# Altium PCB Template_F411.PcbDoc
Units mil, origin at the board's own origin, x right, y up, seen from the top; angles counter-clockwise.
Board outline 6000 x 4000 mil, 2 copper layers (Top Layer, Bottom Layer), stack 61.2 mil thick; 35 components, 51 nets, 215 pads, 47 vias.
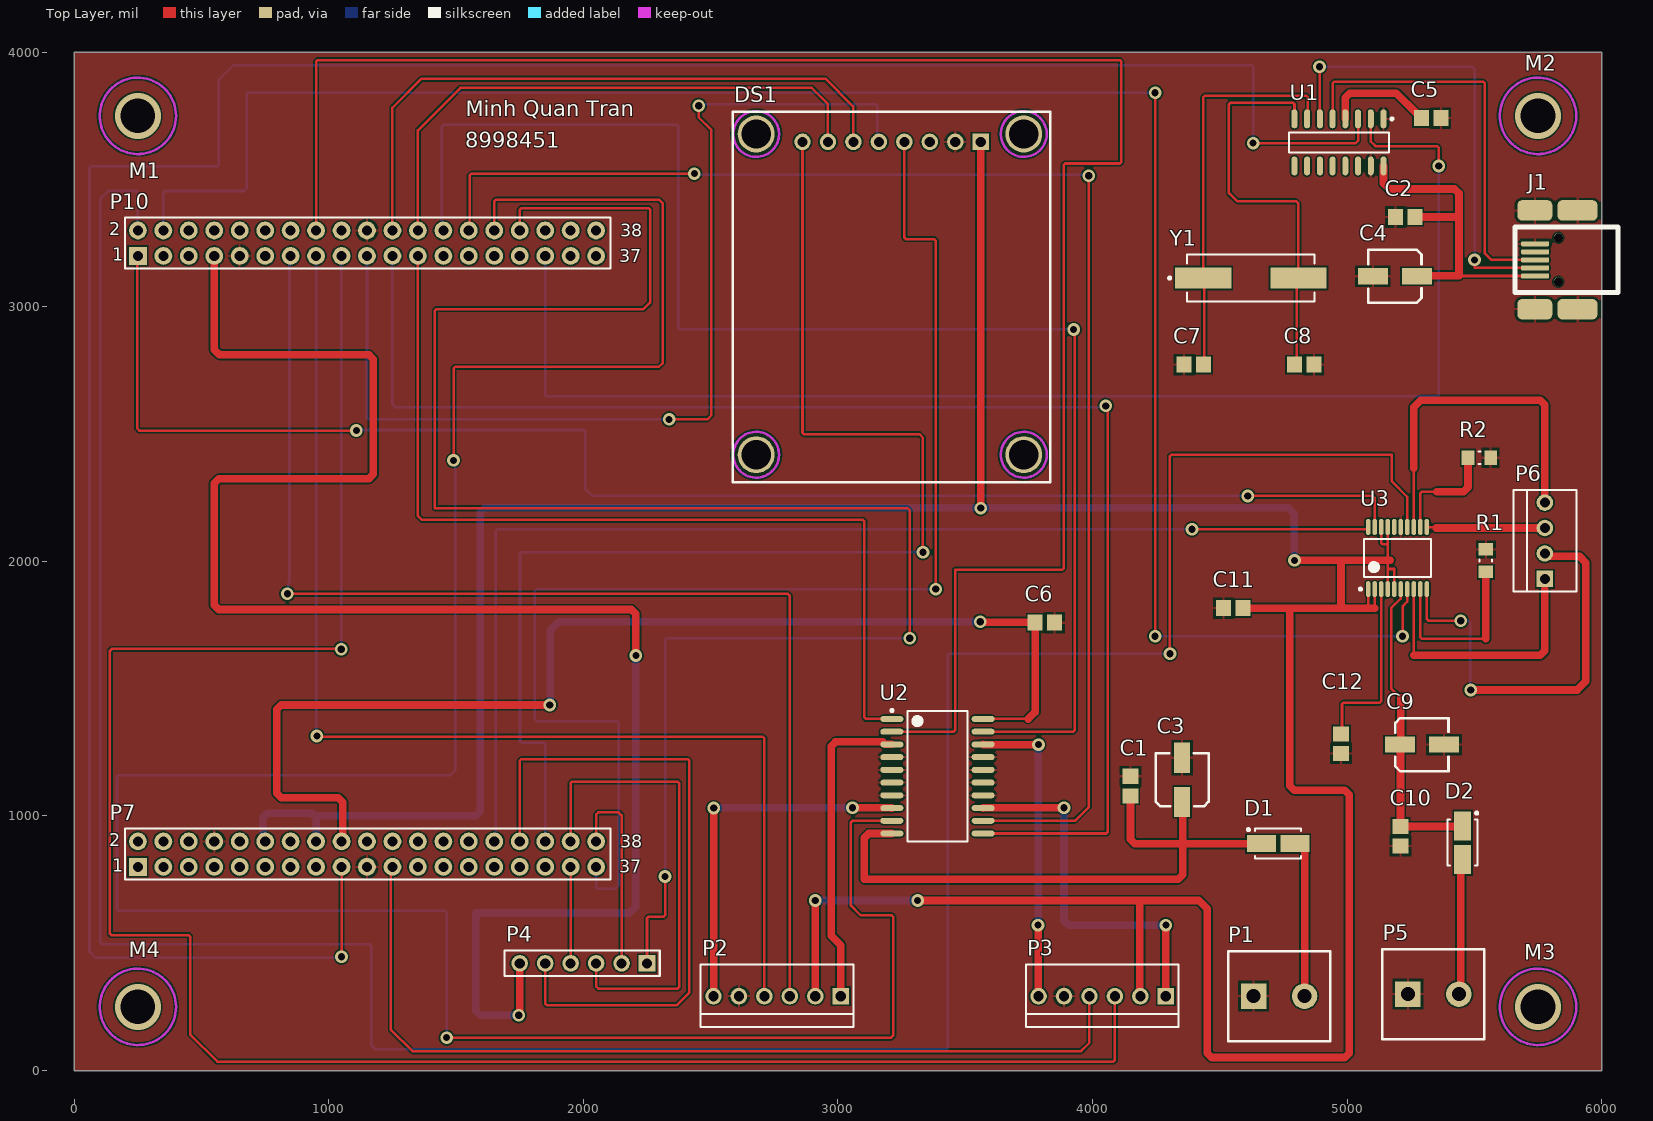
[diagram p0: Top Layer view]
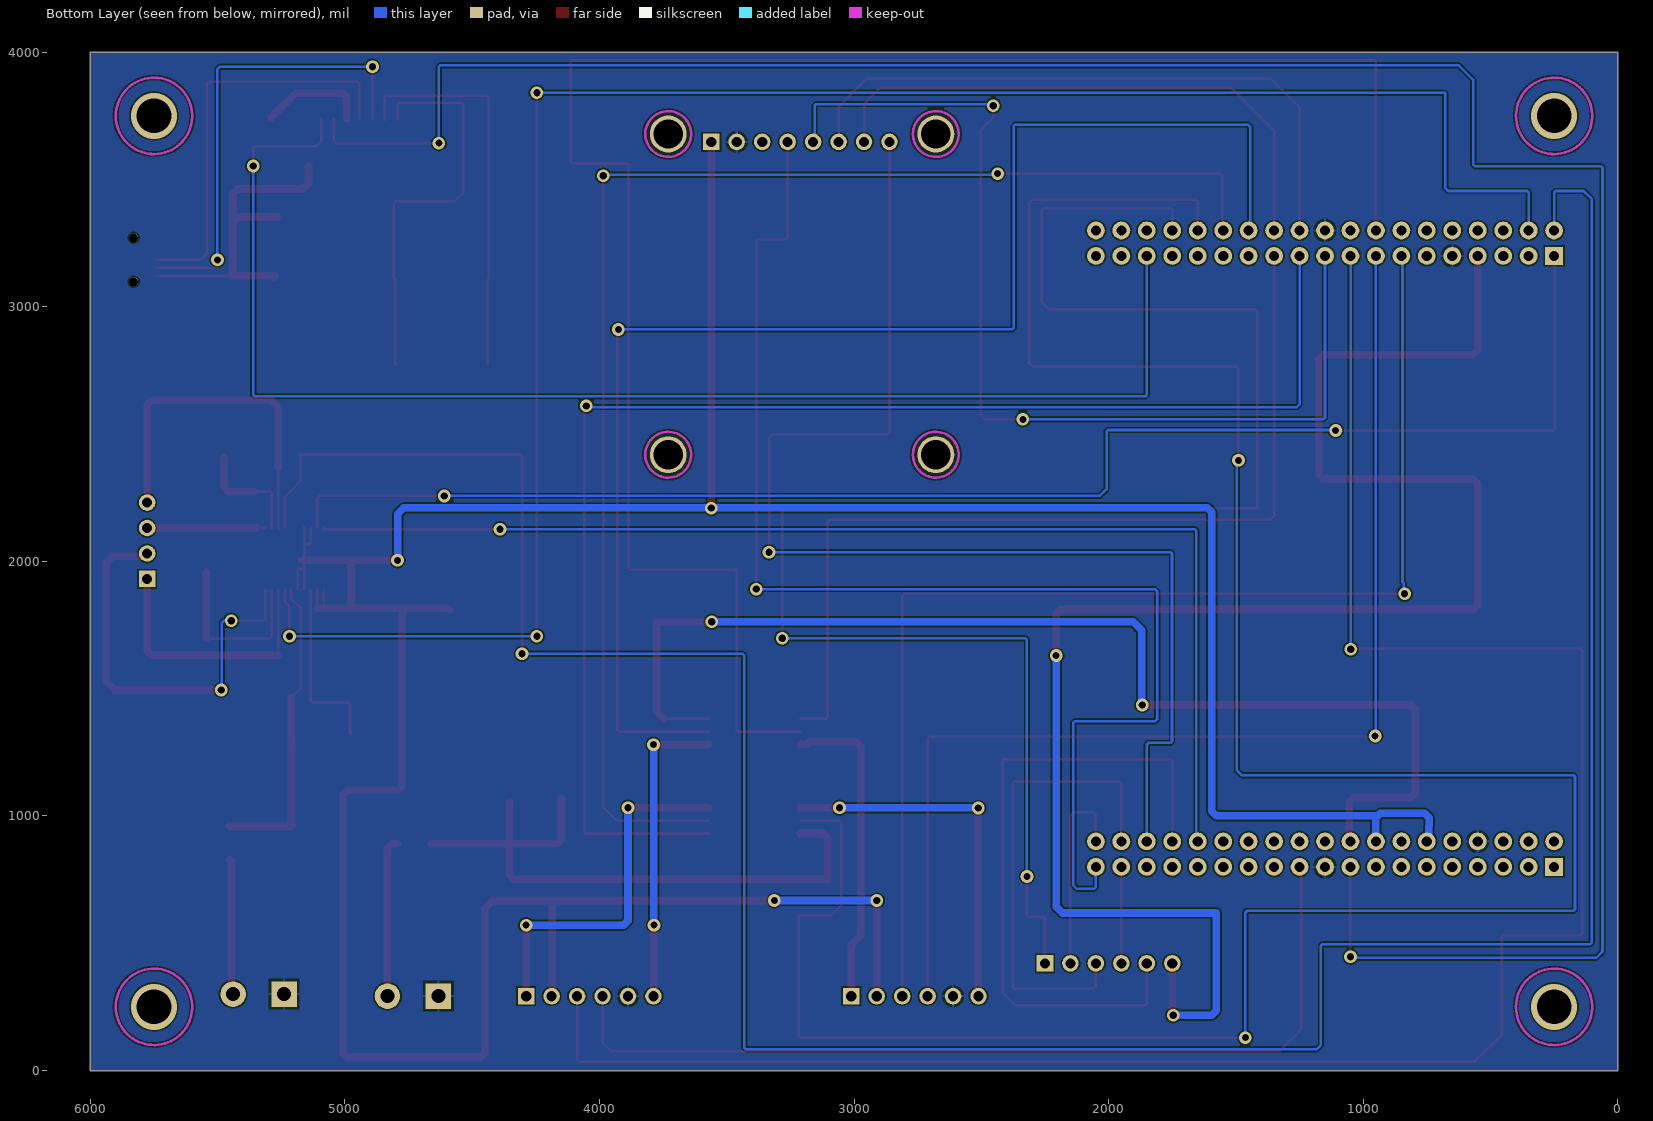
[diagram p1: Bottom Layer view, seen from below]
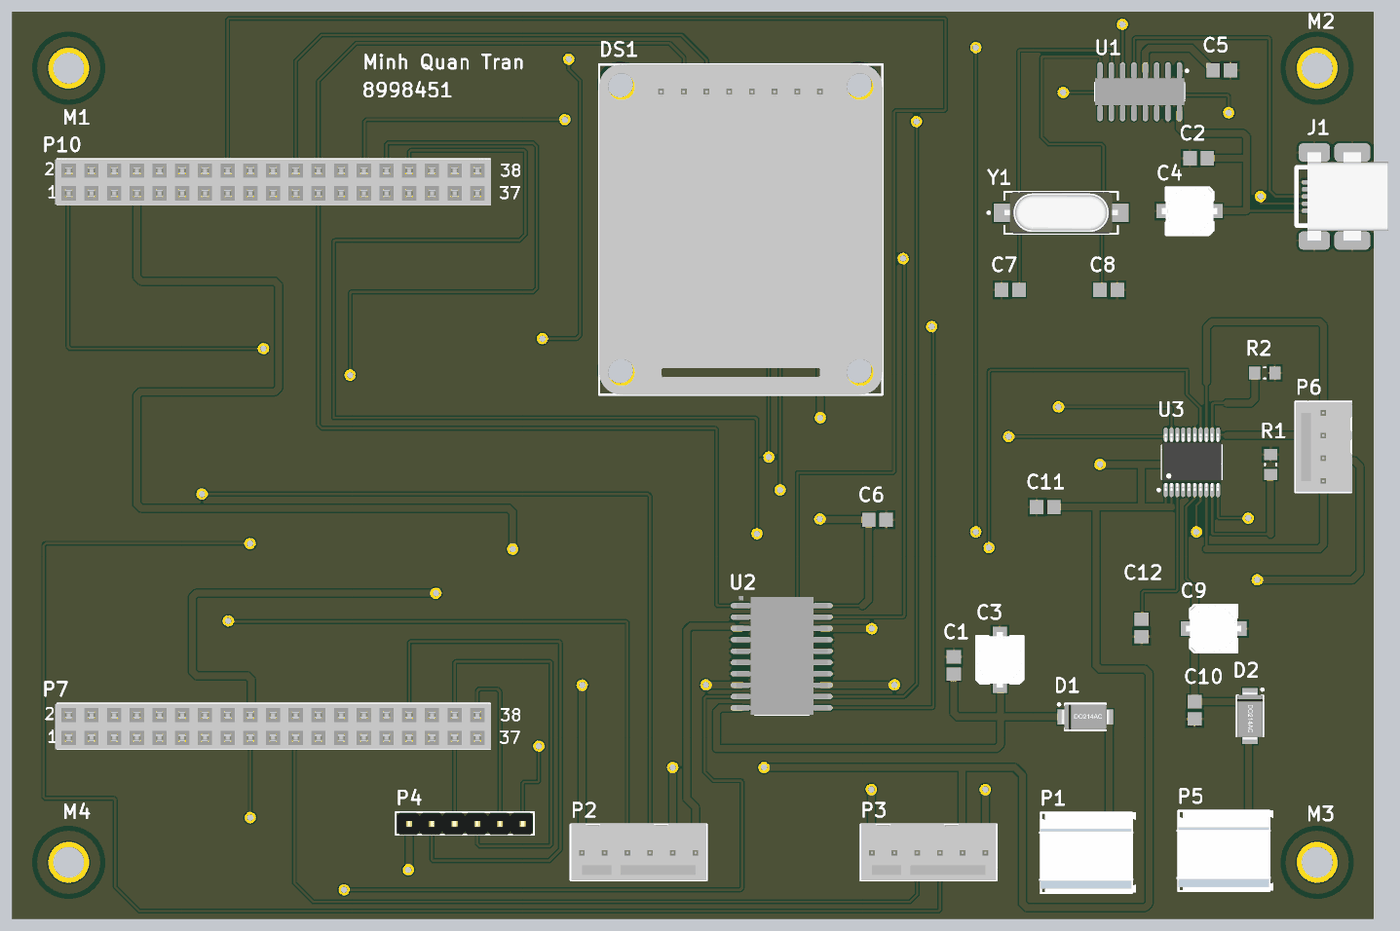
[diagram p2: 3D render of the assembled board from above, using the file's embedded part models]

## Layer stack, top to bottom
Top Solder: solder mask 0.4, Solder Resist, Dk 3.5
Top Layer: signal copper 1.4
Dielectric 1: dielectric 58.4, FR-4, Dk 4.8
Bottom Layer: signal copper 1.4
Bottom Solder: solder mask 0.4, Solder Resist, Dk 3.5

## Board outline
0,0 6000,0 6000,4000 0,4000

## Design rules (kind name [scope] priority, off if disabled: settings)
Clearance [All] p1: gap=6 ignorepadtopadclearanceinfootprint=TRUE
HoleSize [All] p1: absolutevalues=TRUE maxlimit=150 minlimit=20 maxpercent=80.000 minpercent=20.000
MinimumAnnularRing [All] p1: minimumring=10
MinimumSolderMaskSliver [All] p1: minsoldermaskwidth=3
PolygonConnect [All] p1: connectstyle=Relief reliefconductorwidth=10 reliefentries=4 polygonreliefangle="90 Angle" airgapwidth=10
RoutingVias [All] p1: holewidth=20 width=30 viastyle="Through Hole" minholewidth=20 minwidth=30 maxholewidth=40 maxwidth=50
SolderMaskExpansion [All] p1: expansion=1 istentingtop=FALSE
SupplyNets "Schematic Supply Nets_3" [InNet('3.3V')] p1: voltage=0.000
SupplyNets "Schematic Supply Nets_2" [InNet('5V')] p2: voltage=0.000
SupplyNets "Schematic Supply Nets_1" [InNet('GND')] p3: voltage=0.000
SupplyNets "Schematic Supply Nets" [InNet('VBUS')] p4: voltage=0.000
Width "Schematic Width Constraint_18" [InNet('5V')] p1: maxlimit=30 minlimit=10 preferedwidth=30 minimp=50.000000 maximp=50.000000 favimp=50.000000
Width "Schematic Width Constraint_17" [InNet('NetP2_1')] p2: maxlimit=30 minlimit=10 preferedwidth=30 minimp=50.000000 maximp=50.000000 favimp=50.000000
Width "Schematic Width Constraint_16" [InNet('NetP3_6')] p3: maxlimit=30 minlimit=10 preferedwidth=30 minimp=50.000000 maximp=50.000000 favimp=50.000000
Width "Schematic Width Constraint_15" [InNet('NetC9_1')] p4: maxlimit=30 minlimit=10 preferedwidth=30 minimp=50.000000 maximp=50.000000 favimp=50.000000
Width "Schematic Width Constraint_14" [InNet('NetD1_2')] p5: maxlimit=30 minlimit=10 preferedwidth=30 minimp=50.000000 maximp=50.000000 favimp=50.000000
Width "Schematic Width Constraint_13" [InNet('AVDD')] p6: maxlimit=30 minlimit=10 preferedwidth=30 minimp=50.000000 maximp=50.000000 favimp=50.000000
Width "Schematic Width Constraint_12" [InNet('NetP3_1')] p7: maxlimit=30 minlimit=10 preferedwidth=30 minimp=50.000000 maximp=50.000000 favimp=50.000000
Width "Schematic Width Constraint_11" [InNet('NetR2_1')] p8: maxlimit=30 minlimit=10 preferedwidth=30 minimp=50.000000 maximp=50.000000 favimp=50.000000
Width "Schematic Width Constraint_10" [InNet('3.3V')] p9: maxlimit=30 minlimit=10 preferedwidth=30 minimp=50.000000 maximp=50.000000 favimp=50.000000
Width "Schematic Width Constraint_9" [InNet('NetP6_3')] p10: maxlimit=30 minlimit=10 preferedwidth=30 minimp=50.000000 maximp=50.000000 favimp=50.000000
Width "Schematic Width Constraint_8" [InNet('NetP2_6')] p11: maxlimit=30 minlimit=10 preferedwidth=30 minimp=50.000000 maximp=50.000000 favimp=50.000000
Width "Schematic Width Constraint_7" [InNet('NetP6_2')] p12: maxlimit=30 minlimit=10 preferedwidth=30 minimp=50.000000 maximp=50.000000 favimp=50.000000
Width "Schematic Width Constraint_6" [InNet('NetC5_1')] p13: maxlimit=30 minlimit=10 preferedwidth=30 minimp=50.000000 maximp=50.000000 favimp=50.000000
Width "Schematic Width Constraint_5" [InNet('NetP6_1')] p14: maxlimit=30 minlimit=10 preferedwidth=30 minimp=50.000000 maximp=50.000000 favimp=50.000000
Width "Schematic Width Constraint_4" [InNet('NetD2_2')] p15: maxlimit=30 minlimit=10 preferedwidth=30 minimp=50.000000 maximp=50.000000 favimp=50.000000
Width "Schematic Width Constraint_3" [InNet('VBUS')] p16: maxlimit=30 minlimit=10 preferedwidth=30 minimp=50.000000 maximp=50.000000 favimp=50.000000
Width "Schematic Width Constraint_2" [InNet('NetP6_4')] p17: maxlimit=30 minlimit=10 preferedwidth=30 minimp=50.000000 maximp=50.000000 favimp=50.000000
Width "Schematic Width Constraint_1" [InNet('NetR1_1')] p18: maxlimit=30 minlimit=10 preferedwidth=30 minimp=50.000000 maximp=50.000000 favimp=50.000000
Width "Schematic Width Constraint" [InNet('VMOTOR')] p19: maxlimit=30 minlimit=10 preferedwidth=30 minimp=50.000000 maximp=50.000000 favimp=50.000000
Width Power [InNetClass('POWER')] p20: maxlimit=100 minlimit=20 preferedwidth=30
Width [All] p21: maxlimit=10 minlimit=10 preferedwidth=10
28 further rules are at their usual default settings.

## Classes and differential pairs
component class Sheet3: C9 C10 C11 C12 D2 P5 P6 R1 R2 U3
component class Sheet2: C1 C2 C3 C4 C5 C6 C7 C8 D1 DS1 J1 P1 P2 P3 P4 U1 U2 Y1
component class Sheet1: P7 P10
component class Mechanical: M1 M2 M3 M4 M5

## Components (designator, comment, footprint, x,y, rotation, side; value= is the part's Value field where it differs from the comment)
C1 "Cap" CAPC2012X09M 4149,1117.61 r270 top value=.1uF
C2 "Cap" CAPC2012X09M 5228,3353 r180 top value=.1uF
C3 "Cap Pol" CAPACITOR_5MM 4352,1142 r90 top value=10uF
C4 "Cap Pol" CAPACITOR_5MM 5188,3120 r180 top value=10uF
C5 "Cap" CAPC2012X09M 5330,3741 r0 top value=.1uF
C6 "Cap" CAPC2012X09M 3813,1759 r180 top value=.1uF
C7 "Cap" CAPC2012X09M 4398,2773 r180 top value=33pF
C8 "Cap" CAPC2012X09M 4831.39,2773 r0 top value=33pF
C9 "Cap Pol" CAPACITOR_5MM 5294,1280 r0 top value=10uF
C10 "Cap" CAPC2012X09M 5210,920 r90 top value=.1uF
C11 "Cap" CAPC2012X09M 4552.23,1816 r180 top value=.1uF
C12 "Cap" CAPC2012X09M 4976.31,1283.41 r270 top value=220pF
D1 "DIODE SCHOTTKY 40V 2A SMA" DIOM4326X23M 4728.94,891 r0 top
D2 "DIODE SCHOTTKY 40V 2A SMA" DIOM4326X23M 5454,895.06 r270 top
DS1 "OLED" OLED_RGB_0.95_96x64_Waveshare 3560.82,3647.84 r0 top
J1 "67503-1020" MOLX-67503-1020_V 5738.47,3121.62 r180 top
M1 "MOUNTING_HOLE" MOUNTING_HOLE 250,3750 r0 top locked
M2 "MOUNTING_HOLE" MOUNTING_HOLE 5750,3750 r0 top locked
M3 "MOUNTING_HOLE" MOUNTING_HOLE 5750,250 r0 top locked
M4 "MOUNTING_HOLE" MOUNTING_HOLE 250,250 r0 top locked
M5 "Nucleo-64" NUCLEO_64 7017,1566 r0 top
P1 "Terminal 2" TYCO_282841_2 4733,292 r0 top
P2 "Molex_22-11-2062" MOLEX_22-11-2062 3011,292 r180 top
P3 "Molex_22-11-2062" MOLEX_22-11-2062 4288,292 r180 top
P4 "Header 6" HDR1X6 2250,421 r180 top
P5 "Terminal 2" TYCO_282841_2 5339,300 r0 top
P6 "Molex_22-11-2042" MOLEX-22-11-2042 5777,1931.05 r90 top
P7 "Header 19X2H" PPPC192LFBN-RC 250,800 r0 top
P10 "Header 19X2H" PPPC192LFBN-RC 250,3200 r0 top
R1 "Res3" RESC2112X05M 5545,2003 r90 top value=4.99R
R2 "Res3" RESC2112X05M 5519.29,2407 r0 top value=4.99R
U1 "CH340G" NSO16_L 4968,3646 r270 top
U2 "L293DD" SO20_N 3391,1156 r0 top
U3 "TB6608FNG,C8,EL" TSOP65P640X160-20M 5198,2013.05 r90 top
Y1 "AS-12.000-18-SMD-TR" HCS-49/U 4621.99,3113 r0 top

## Footprints (in the part's own frame and the unit in brackets; to place one, negate y for a bottom-side part, rotate by r counter-clockwise, add the part's x,y. Pads: shape width x height; smd on the part's side, far side on the other; paste and mask are expansions set on the pad)
CAPACITOR_5MM [mm]
  rect 3x1.6 smd: 1(-2.2,0) 2(2.2,0)
  silkscreen extent -2.65,-2.65 2.65,2.65, body extent -3.1,-2.65 3.1,2.65, height 6.15
CAPC2012X09M [mm] "Chip Capacitor, 2-Leads, Body 2.00x1.25mm, IPC Low Density"
  rect 1.5x1.6 smd: 1(-0.975,0) 2(0.975,0)
  body extent -1.1,-0.72 1.1,0.72, height 0.88
DIOM4326X23M [mm] "Molded Diode, 2-Leads, Body 4.30x2.60mm, IPC Low Density"
  rect 2.9x1.7 smd: 1(-1.675,0) 2(1.675,0)
  silkscreen extent -3.07,-1.5 2.3,1.52, body extent -2.74,-1.4 2.74,1.4, height 2.36
HCS-49/U [mm] "SMD, 2-Leads, Body 11.4x4.7mm"
  rect 5.6x2.1 smd: 1(-4.75,0) 2(4.75,0)
  silkscreen extent -8.22,-2.35 6.35,2.35, body extent -6.35,-2.35 6.35,2.35, height 4.16
HDR1X6 [mil] "Connector; Header; 6 Position"
  rect 65x65 hole 40: 1(0,0)
  round 65 hole 40: 2(100,0) 3(200,0) 4(300,0) 5(400,0) 6(500,0)
  silkscreen extent -50,-50 559,50, body extent -46,-48 554,50, height 370
MOLEX-22-11-2042 [mil] "CONN HEADER 4POS .100 VERT GOLD"
  rect 65x65 hole 40: 1(0,0)
  round 65 hole 40: 2(100,0) 3(200,0) 4(300,0)
  silkscreen extent -50,-124 350,123, body extent -47,-128 347,122, height 422
MOLEX_22-11-2062 [mil] "CONN HEADER 6POS .100 VERT GOLD"
  rect 65x65 hole 40: 1(0,0)
  round 65 hole 40: 2(100,0) 3(200,0) 4(300,0) 5(400,0) 6(500,0)
  silkscreen extent -50,-125 550,122, body extent -47,-128 547,122, height 422
MOLX-67503-1020_V [mm] "Mini USB Connector, SMT, Righer Angle"
  rrect50% 2.8x0.5 smd: 1(0,0) 2(0,-0.8) 3(0,-1.6) 4(0,-2.4) 5(0,-3.2)
  rrect50% 3.5x2.05 smd: 6(0.025,3.325) 8(0.025,-6.525)
  rrect50% 4x2.05 smd: 7(-4.225,3.325) 9(-4.225,-6.525)
  round 0.9 hole 0.9 unplated: X(-2.325,-3.8) Y(-2.325,0.6)
  silkscreen extent -8.25,-4.85 2,1.65, body extent -8.22,-6.56 0.78,3.34, height 3.95
MOUNTING_HOLE [mil]
  Keep-Out Layer circle w10: c0,0 r150
NSO16_L [mm] "SOIC, 16-Leads, Body 9.9x3.9mm, Pitch 1.27mm, IPC High Density"
  oval 1.9x0.6 smd: 1(-2.35,4.445) 2(-2.35,3.175) 3(-2.35,1.905) 4(-2.35,0.635) 5(-2.35,-0.635) 6(-2.35,-1.905) 7(-2.35,-3.175) 8(-2.35,-4.445) 9(2.35,-4.445) 10(2.35,-3.175) 11(2.35,-1.905) 12(2.35,-0.635) 13(2.35,0.635) 14(2.35,1.905) 15(2.35,3.175) 16(2.35,4.445)
  silkscreen extent -2.47,-5 1,5.42, body extent -3.1,-5 3.1,5, height 1.75
NUCLEO_64 [mil] "Nucleo 64 Placeholder"
  body extent -128,-1998 2628,1269, height 394
OLED_RGB_0.95_96x64_Waveshare [mil]
  rect 65x65 hole 40: 1(0,0)
  round 65 hole 40: 2(-100,0) 3(-200,0) 4(-300,0) 5(-400,0) 6(-500,0) 7(-600,0) 8(-700,0)
  round 145 hole 115: NC(-882,-1228.84) NC(-882,31) NC(169.18,-1228.84) NC(169.18,31)
  Keep-Out Layer circle w10: c-882,31 r90
  Keep-Out Layer circle w10: c169.18,31 r90
  Keep-Out Layer circle w10: c169.18,-1228.84 r90
  Keep-Out Layer circle w10: c-882,-1228.84 r90
  silkscreen extent -974,-1337 274,119, body extent -974,-1337 274,119, height 422
PPPC192LFBN-RC [mil] "38 Position Header Connector 0.100in (2.54mm) Through Hole Gold"
  rect 70x70 hole 40: 1(0,0)
  round 70 hole 40: 2(0,100) 3(100,0) 4(100,100) 5(200,0) 6(200,100) 7(300,0) 8(300,100) 9(400,0) 10(400,100) 11(500,0) 12(500,100) 13(600,0) 14(600,100) 15(700,0) 16(700,100) 17(800,0) 18(800,100) 19(900,0) 20(900,100) 21(1000,0) 22(1000,100) 23(1100,0) 24(1100,100) 25(1200,0) 26(1200,100) 27(1300,0) 28(1300,100) 29(1400,0) 30(1400,100) 31(1500,0) 32(1500,100) 33(1600,0) 34(1600,100) 35(1700,0) 36(1700,100) 37(1800,0) 38(1800,100)
  silkscreen extent -50,-50 1856,150, body extent -60,-51 1860,149, height 335
RESC2112X05M [mm] "Chip Resistor, 2-Leads, Body 2.05x1.25mm, IPC Low Density"
  rect 1.25x1.45 smd: 1(-1.125,0) 2(1.125,0)
  silkscreen extent -0.1,-0.63 0.1,0.63, body extent -1.1,-0.7 1.1,0.7, height 0.5
SO20_N [mm] "SOIC, 20-Leads, Body 12.8x7.5mm, Pitch 1.27mm, IPC Medium Density"
  oval 2.3x0.6 smd: 1(-4.55,5.715) 2(-4.55,4.445) 3(-4.55,3.175) 4(-4.55,1.905) 5(-4.55,0.635) 6(-4.55,-0.635) 7(-4.55,-1.905) 8(-4.55,-3.175) 9(-4.55,-4.445) 10(-4.55,-5.715) 11(4.55,-5.715) 12(4.55,-4.445) 13(4.55,-3.175) 14(4.55,-1.905) 15(4.55,-0.635) 16(4.55,0.635) 17(4.55,1.905) 18(4.55,3.175) 19(4.55,4.445) 20(4.55,5.715)
  silkscreen extent -4.67,-6.5 3,6.69, body extent -5.04,-6.52 5.15,6.82, height 2.67
TSOP65P640X160-20M [mm] "TSOP, 20-Leads, Body 6.85x4.40mm, Pitch 0.65mm, IPC Low Density"
  oval 1.6x0.45 smd: 1(-3.1,2.925) 2(-3.1,2.275) 3(-3.1,1.625) 4(-3.1,0.975) 5(-3.1,0.325) 6(-3.1,-0.325) 7(-3.1,-0.975) 8(-3.1,-1.625) 9(-3.1,-2.275) 10(-3.1,-2.925) 11(3.1,-2.925) 12(3.1,-2.275) 13(3.1,-1.625) 14(3.1,-0.975) 15(3.1,-0.325) 16(3.1,0.325) 17(3.1,0.975) 18(3.1,1.625) 19(3.1,2.275) 20(3.1,2.925)
  silkscreen extent -3.22,-3.35 1.9,3.82, body extent -3.2,-3.35 3.2,3.35, height 1.6
TYCO_282841_2 [mil]
  rect 100x100 hole 55: 1(-100,0)
  round 100 hole 55: 2(100,0)
  silkscreen extent -200,-177 200,177, body extent -209,-174 219,180, height 600

## Part data
C1 C2 C5 C6 C10 C11: library part CAP-X7R-.1uF-50V-±5%, "CAP CER .1uF 50v X7R 0805", MPN=C0805C104J5RACTU, Tolerance=±5%, Name=CAP-X7R-.1uF-50V-±5%, PN=399-1171-1-ND, Type=X7R, URL=http://www.digikey.ca/product-detail/en/C0805C104J5RACTU/399-1171-1-ND, WV=50
C3 C4 C9: library part "Cap Polar-10uF-35V", "CAP 85C 10uF ±20% 35V WX Series Aluminum Electrolytic", Leakage Current=3.5, MPN=UWX1V100MCL1GB, Rated Ripple Current=29, Voltage=35V, Diameter=5, Name="Cap Polar-10uF-35V", PN=493-2117-1-ND, Tan Theta=0.12, URL=http://www.digikey.ca/product-detail/en/UWX1V100MCL1GB/493-2117-1-ND
C7 C8: library part CAP-COG-33pF-50V-±5%, "CAP CER 33pF 50v COG 0805", MPN=C0805C330J5GACTU, Tolerance=±5%, Name=CAP-COG-33pF-50V-±5%, PN=399-1115-1-ND, URL=http://www.digikey.ca/product-detail/en/C0805C330J5GACTU/399-1115-1-ND, WV=50
  C8: Type=COG
C12: library part CAP-X7R-220pF-50V-±10%, "CAP CER 220pF 50v X7R 0805", MPN=C0805C221K5RACTU, Tolerance=±10%, Name=CAP-X7R-220pF-50V-±10%, PN=399-1138-1-ND, Type=X7R, URL=http://www.digikey.ca/product-detail/en/C0805C221K5RACTU/399-1138-1-ND, WV=50
D1 D2: "Schottky Rectifier", MPN=B240A-13-F, PN=B240A-FDICT-ND, URL=http://www.digikey.ca/product-detail/en/B240A-13-F/B240A-FDICT-ND
DS1: library part OLED_RGB_0.95_96x64_Waveshare, "Waveshare 0.95 inch OLED Module", MPN=PPPC081LFBN-RC, PN=S7041-ND, URL=https://www.digikey.ca/en/products/detail/sullins-connector-solutions/PPPC081LFBN-RC/810180
J1: library part MOLX-67503-1020, "USB, MINI, SMD, RA KME04-USBMU03A01", Manufacturer=Molex, ComponentLink1Description="Manufacturer URL", ComponentLink1URL=http://www.molex.com/, ComponentLink2Description=Datasheet, ComponentLink2URL=http://www.molex.com/pdm_docs/sd/675031020_sd.pdf, DatasheetVersion="Rev F, 06/2009", Mounting Technology="Surface Mount", PackageDescription="Mini USB Connector, SMT, Righer Angle", PackageReference=67503-1020, PartNumber=67503-1020, Terminal Pitch="0.8 mm"
M1 M2 M3 M4: "Mounting Hole"
M5: "Nucleo-64 Board Model"
P1 P5: "Terminal, 2-Pin", MPN=282841-2, LatestRevisionDate=17-Jul-2002, LatestRevisionNote="Re-released for DXP Platform.", PN=A98342-ND, Publisher="Altium Limited", URL=http://www.digikey.ca/product-detail/en/282841-2/A98342-ND/1136740
P2 P3: "CONN HEADER 6POS .100 VERT GOLD", MPN=0022112062, PN=WM2704-ND, URL=http://www.digikey.ca/product-detail/en/0022112062/WM2704-ND
P4: "Header, 6-Pin Male", MPN=PEC06SFAN, PN=S1212E-06-ND, URL=http://www.digikey.ca/product-detail/en/PEC06SFAN/S1212E-06-ND
P6: "CONN HEADER 4POS .100 VERT GOLD", MPN=0022112042, PN=WM2702-ND, URL=http://www.digikey.ca/product-detail/en/0022112042/WM2702-ND
P7 P10: "38 Position Header Connector 0.100in (2.54mm) Through Hole Gold", MPN=PPPC192LFBN-RC, PN=S7122-ND, URL=https://www.digikey.ca/product-detail/en/sullins-connector-solutions/PPPC192LFBN-RC/S7122-ND
R1 R2: library part Resistor_4.99R, "RES SMD 4.99R OHM 1% 1/8W 0805", MPN=CRCW08054R99FKEA, Name=Resistor_4.99R, PN=541-4.99CCCT-ND, URL=http://www.digikey.ca/product-detail/en/CRCW08054R99FKEA/541-4.99CCCT-ND
U1: "USB to serial chip", MPN=CH340G, PN=CH340G, URL=https://www.mpja.com/download/35227cpdata.pdf
U2: "IC MOTOR DRIVER PAR 20-SOIC", MPN=L293DD013TR, Code_IPC=SOIC127P1030-20, Code_JEDEC=MS-013-AC, ComponentLink1Description="Manufacturer Link", ComponentLink1URL=http://www.st.com/, ComponentLink2Description=Datasheet, ComponentLink2URL=http://www.st.com/stonline/products/literature/ds/1330/l293d.pdf, DatasheetVersion=Jun-1996, LatestRevisionDate=13-Apr-2006, LatestRevisionNote="IPC-7351 Footprint Added.", PackageDescription="20-Pin Plastic Small Outline Integrated Circuit 1.27 mm Pitch", PackageReference=SO20, PackageVersion=Jul-2001, PN=497-2937-1-ND, Published=8-Jun-2000, Publisher="Altium Limited", URL=http://www.digikey.ca/product-detail/en/L293DD013TR/497-2937-1-ND
U3: "IC MTR DRV BIPLR 2.7-5.5V 20SSOP", MPN=TB6608FNG,C8,EL, PN=TB6608FNGC8ELCT-ND, URL=https://www.digikey.ca/en/products/detail/toshiba-semiconductor-and-storage/TB6608FNG-C8-EL/1730074
Y1: "CRYSTAL 12.0000MHZ 18PF SMD", MPN=AS-12.000-18-SMD-TR, PN=2151-AS-12.000-18-SMD-TRCT-ND, URL=https://www.digikey.ca/en/products/detail/raltron-electronics/AS-12-000-18-SMD-TR/10271753

## Via types
v1: diameter 50, hole 28, Top Layer to Bottom Layer, 43 vias
v2: diameter 180, hole 136, Top Layer to Bottom Layer, 4 vias

## Nets (pads, with @x,y where several pads share a name; then routed paths per layer and width w, separated by ;. In a path a pad name is that pad's centre, name@x,y a point inside that pad or via, vN(x,y) a via of type N, cw(c..) or ccw(c..) an arc to the next point about the centre after c; other vN are vias at no path point)
3.3V: C11.1 DS1.1 P2.2 P3.2 P7.12 P7.16 U3.1 U3.2 U3.4 U3.5 U3.17 U3.18 | length 14168.2
  Top Layer w10: 5082.84,1816 U3.1 ; 5108.43,1816 U3.2 ; U3.18 5134.02,2072.43 5139.88,2066.57 5159.61,2066.57 ; U3.4 5159.61,1970 ; U3.17 5159.61,2066.57 ; U3.5 5185.2,1970 5159.61,1970 ; 5159.61,1970 5159.61,2004 5159.61,2066.57
  Top Layer w30: P2.2 v1(2911,668) ; v1(3313,668) 4185,668 ; DS1.1 3560.91,3647.75 3560.91,2209.09 v1(3561,2209) ; P3.2 4185,295 4185,668 ; C11.1@4590.61,1811 4595.61,1816 4775,1816 ; v1(4793,2004) 4976.31,2004 ; 5108.43,1816 5082.84,1816 4976.31,1816 ; 5169.48,2004 5159.61,2004 4976.31,2004 ; 4185,668 4418,668 4451,635 4451,68.57 4468.57,51 4991.43,51 5009,68.57 5009,1083.43 4991.43,1101 4792.57,1101 4775,1118.57 4775,1816 ; 4775,1816 4976.31,1816 ; 4976.31,1816 4976.31,2004
  Bottom Layer w30: P7.12 742.35,907.65 742.35,960.08 740,962.43 740,992.43 757.57,1010 932.43,1010 941.96,1000.46 ; P7.16 950,992.43 941.96,1000.46 ; v1(2911,668) v1(3313,668) ; v1(4793,2004) 4793,2186.43 4768.43,2211 3563,2211 v1(3561,2209) 3559,2211 1612.61,2211 1595.04,2193.43 1595.04,1018.04 1577.47,1000.46 941.96,1000.46
5V: C6.2 P7.18 U2.20 | length 4620.7
  Top Layer w10: U2.20 3747.04,1381
  Top Layer w30: P7.18 1055,905 1055,1054.43 1037.43,1072 812.57,1072 795,1089.57 795,1418.43 812.57,1436 v1(1868,1436) ; v1(3559,1763) 3561,1761 3772.61,1761 C6.2 3774.61,1408.57 3747.04,1381
  Bottom Layer w30: v1(1868,1436) 1870,1438 1870,1729 1904,1763 v1(3559,1763)
AGND: P4.1 P10.32 | length 7268.5
  Top Layer w10: P10.32 1750,3382.14 1755.86,3388 2256.14,3388 2262,3382.14 2262,3017 2236,2991 1422.86,2991 1417,2985.14 1417,2209 3274,2209 3282,2201 v1(3282,1698) ; P4.1 2250,598.28 2255.86,604.14 2315.14,604.14 2321,610 v1(2321,762)
  Bottom Layer w10: v1(2321,762) 2321,1692.14 2326.86,1698 v1(3282,1698)
ANALOG_IN_1: P4.2 P7.38 | length 794.8
  Top Layer w10: P7.38 2050,1005.14 2058.86,1014 2138,1014 2150,1002 P4.2
ANALOG_IN_2: P4.3 P7.36 | length 1883.5
  Top Layer w10: P7.36 1950,1129.14 1955.86,1135 2370.14,1135 2376,1129.14 2376,327.86 2370.14,322 2058.86,322 2050,330.86 P4.3
ANALOG_IN_3: P4.4 P7.35 | length 379
  Top Layer w10: P4.4 P7.35
ANALOG_OUT: P4.5 P7.32 | length 2646
  Top Layer w10: P7.32 1750,1217.14 1755.86,1223 2410.14,1223 2416,1217.14 2416,306 2367,257 1855.86,257 1850,262.86 P4.5
AVDD: P4.6 P10.7 | length 6809.5
  Top Layer w30: P10.7 550,2831.57 570.57,2811 1157.6,2811 1175.17,2793.43 1175.17,2341.57 1157.6,2324 567.57,2324 550,2306.43 550,1828.57 567.57,1811 2188.43,1811 2206,1793.43 v1(2206,1630) ; v1@1742,213 v1(1746,217) 1750,221 P4.6
  Bottom Layer w30: v1(1746,217) 1595.04,217 1577.47,234.57 1577.47,619 2181.43,619 2206,643.57 v1(2206,1630)
GND: C1.1 C2.2 C3.2 C4.2 C5.2 C6.1 C7.2 C8.2 C9.2 C10.1 C11.2 C12.2 DS1.2 J1.5 J1.6 J1.7 J1.8 J1.9 P1.1 P2.5 P3.5 P5.1 P7.8 P7.19 P10.9 P10.20 R1.2 R2.2 U1.1 U1.15 U2.4 U2.5 U2.6 U2.7 U2.14 U2.15 U2.16 U2.17 U3.15
MOTOR1_DIR1: P10.16 U2.2 | length 7350.5
  Top Layer w10: P10.16 950,3963.14 955.86,3969 4107.14,3969 4113,3963.14 4113,3568.86 4107.14,3563 3892.86,3563 3887,3557.14 3887,1972.86 3881.14,1967 3460,1967 3460,1336.86 3454.14,1331 U2.2
MOTOR1_DIR2: P10.30 U2.9 | length 10393.5
  Top Layer w10: v1@1450,142 v1(1463,129) 3209,129 3217,137 3217,604.14 3211.14,610 3089,610 3051,648 3051,975 3057,981 U2.9 ; v1(1490,2397) 1490,2758.14 1495.86,2764 2296,2764 2312,2780 2312,3406 2297,3421 1655.86,3421 1650,3415.14 P10.30
  Bottom Layer w10: v1(1463,129) 1463,621.14 1457.14,627 173.86,627 168,632.86 168,1154.14 173.86,1160 1477.2,1160 1496,1178.8 1496,2391 v1(1490,2397)
MOTOR1_ENCODER_A: P2.3 P10.13 | length 4894.9
  Top Layer w10: v1(837,1873) 2802.14,1873 2811,1864.14 P2.3 ; P10.13@841,3191 P10.13
  Bottom Layer w10: v1(837,1873) 840.5,1876.5 840.5,1913 845.5,1918 845.5,3195.5 P10.13
MOTOR1_ENCODER_B: P2.4 P10.15 | length 4662.1
  Top Layer w10: v1(953,1314) 956,1311 2705.14,1311 2711,1305.14 P2.4
  Bottom Layer w10: P10.15 951.5,3198.5 951.5,1315.5 v1(953,1314)
MOTOR1_PWM: P10.23 U2.1 | length 3664.6
  Top Layer w10: P10.23 1350,2179 1366,2163 3098.14,2163 3104,2157.14 3104,1386.86 3109.86,1381 U2.1
MOTOR2_DIR1: P10.28 U2.12 | length 5572.9
  Top Layer w10: P10.28 1553,3303 1553,3515 1561,3523 v1(2436,3523) ; U2.12 3931,981 3986,1036 3986,3514 v1(3985,3515)
  Bottom Layer w10: v1(2436,3523) 2440,3519 3981,3519 v1(3985,3515)
MOTOR2_DIR2: P10.26 U2.19 | length 5632.9
  Top Layer w10: U2.19 3925.14,1331 3931,1336.86 3931,2906 v1(3926,2911)
  Bottom Layer w10: P10.26 1444,3306 1444,3707 1453,3716 2367.14,3716 2373,3710.14 2373,2916.86 2378.86,2911 v1(3926,2911)
MOTOR2_ENCODER_A: P3.3 P10.17 | length 8204.6
  Top Layer w10: v1@1050,1654 v1(1049,1655) 1048,1656 148,1656 140,1648 140,537.86 145.86,532 449.14,532 455,526.14 455,142 562,35 4082.14,35 4088,40.86 P3.3
  Bottom Layer w10: v1(1049,1655) 1049.5,1655.5 1049.5,3199.5 P10.17
MOTOR2_ENCODER_B: P3.4 P7.21 | length 3617.9
  Top Layer w10: P7.21 1244,794 1244,160 1328,76 3955,76 3988,109 P3.4
MOTOR2_PWM: P10.21 U2.11 | length 5560
  Top Layer w10: U2.11 4053.14,931 4059,936.86 4059,2604 v1(4052,2611)
  Bottom Layer w10: P10.21 1250,2617 1261,2606 4047,2606 v1(4052,2611)
NetC5_1: C5.1 U1.4 | length 430.5
  Top Layer w30: U1.4 4993,3821.43 5010.57,3839 5193.61,3839 5275.12,3757.5 5277.09,3757.5 5291.61,3742.97 C5.1
NetC7_1: C7.1 U1.7 Y1.1 | length 1557.2
  Top Layer w10: C7.1@4438.77,2773 4438.77,3109.21 Y1.1 4434.98,3823.14 4440.84,3829 4840.14,3829 4846,3823.14 4846,3741 4843.52,3738.52 U1.7@4843.52,3734.52
NetC8_1: C8.1 U1.8 Y1.2 | length 1592.6
  Top Layer w10: U1.8@4793.52,3738.52 4793.52,3795.14 4787.66,3801 4541.86,3801 4536,3795.14 4536,3447 4568,3415 4799,3415 4809,3405 Y1.2 4801.61,3105.61 C8.1@4801.61,2773
NetC9_1: C9.1 C10.2 D2.1 U3.6 | length 1210.4
  Top Layer w10: 5210.8,1463.2 5173,1501 5173,1816 5210.8,1853.8 U3.6
  Top Layer w30: C9.1 5210.8,1283.41 5210.8,1463.2 ; C9.1@5210,1280 C10.2 5451.39,958.39 D2.1
NetC12_1: C12.1 U3.3 | length 714.4
  Top Layer w10: C12.1 4980,1325.49 4980,1439.14 4985.86,1445 5128.58,1445 5134.43,1450.86 5134.43,1826.77 5134.02,1827.18 U3.3@5134.02,1886.95
NetD1_2: D1.2 P1.2 | length 626.3
  Top Layer w30: D1.2 4814.54,891 4833,872.54 P1.2
NetD2_2: D2.2 P5.2 | length 535.3
  Top Layer w30: P5.2 5446.5,307.5 5446.5,821.61 D2.2
NetJ1_2: J1.2 U1.6 | length 1836
  Top Layer w10: v1(4892,3943) 4893,3942 U1.6 ; v1(5500.88,3184.61) 5500.88,3153.12 J1.2
  Bottom Layer w10: v1(4892,3943) 5491.88,3943 5500.88,3934 v1(5500.88,3184.61)
NetJ1_3: J1.3 U1.5 | length 1618.5
  Top Layer w10: U1.5 4943,3878.14 4948.86,3884 5535.14,3884 5541,3878.14 5541,3210.25 5566.64,3184.61 J1.3
NetP2_1: P2.1 U2.3 | length 1247.5
  Top Layer w30: P2.1 3011,492 2973,530 2973,1273.43 2990.57,1291 3174.78,1291 3184.78,1281 U2.3
NetP2_6: P2.6 U2.8 | length 1440.1
  Top Layer w30: P2.6 2511.5,292.5 2511.5,1030.5 v1(2512,1031) ; v1(3057,1032) 3057.5,1031.5 3211.37,1031.5 U2.8
  Bottom Layer w30: v1(2512,1031) 2512.5,1031.5 3056.5,1031.5 v1(3057,1032)
NetP3_1: P3.1 U2.13 | length 1448
  Top Layer w30: U2.13 3570.63,1031.5 3887.5,1031.5 v1(3888,1032) ; P3.1 v1(4288,571)
  Bottom Layer w30: v1(3888,1032) 3888,588.57 3905.57,571 v1(4288,571)
NetP3_6: P3.6 U2.18 | length 1207.9
  Top Layer w30: U2.18 3571.13,1280 v1(3788,1280) ; v1(3786,571) 3787,570 3787,293 P3.6
  Bottom Layer w30: v1(3786,571) 3787,572 3787,1279 v1(3788,1280)
NetP6_1: P6.1 U3.8 | length 1020.7
  Top Layer w10: 5261.98,1631 U3.8@5261.98,1886.95
  Top Layer w30: 5261.98,1631 5759.43,1631 5777,1648.57 5777,1891
NetP6_2: P6.2 U3.10 | length 1662.7
  Top Layer w10: U3.10 5313.16,1772.86 5319.02,1767 v1(5446.5,1767)
  Top Layer w30: v1(5486,1495) 5904.43,1495 5938,1528.57 5938,1995 5913,2020 P6.2@5777,2020
  Bottom Layer w10: v1(5446.5,1767) 5475,1767 5483,1759 5483,1498 v1(5486,1495)
NetP6_3: P6.3 U3.11 | length 462.1
  Top Layer w10: U3.11@5313.16,2131.05 5316.11,2134 5347,2134
  Top Layer w30: 5349.95,2131.05 P6.3
NetP6_4: P6.4 U3.13 | length 1393.1
  Top Layer w10: U3.13@5261.98,2131.05 5261.98,2365.59 5262.39,2366
  Top Layer w30: 5262.39,2366 5262.39,2485.82 5262,2486.2 5262,2606.02 5288.98,2633 5759.43,2633 5777,2615.43 P6.4
NetR1_1: R1.1 U3.9 | length 708
  Top Layer w10: U3.9@5287.57,1886.95 5287.57,1820.98 5287.16,1820.57 5287.16,1702.27 5293.42,1696 5545,1696
  Top Layer w30: 5545,1696 R1.1
NetR2_1: R2.1 U3.12 | length 449.7
  Top Layer w10: U3.12@5287.57,2131.05 5287.57,2268.14 5293.42,2274 5352,2274
  Top Layer w30: 5352,2274 5457.43,2274 5475,2291.57 R2.1
OLED_CS: DS1.6 P10.22 | length 2523.9
  Top Layer w10: P10.22 1250,3782 1364,3896 2951,3896 3060,3787 3060,3648.65 DS1.6
OLED_DC: DS1.7 P10.24 | length 2247.8
  Top Layer w10: P10.24 1350,3693 1517,3860 2897,3860 2960.82,3796.18 DS1.7
OLED_MOSI: DS1.4 P7.37 | length 5105.7
  Top Layer w10: DS1.4 3260.82,3271.86 3266.67,3266 3378.14,3266 3384,3260.14 v1(3384,1891)
  Bottom Layer w10: P7.37 2050,719.86 2055.86,714 2126,714 2139,727 2139,1366.14 2133.14,1372 1817,1372 1809,1380 1809,1882 1818,1891 v1(3384,1891)
OLED_RES: DS1.8 P7.34 | length 4882.2
  Top Layer w10: DS1.8 2860.82,2504.86 2866.67,2499 3319,2499 3319.86,2499.86 3334,2485.72 v1(3334,2036)
  Bottom Layer w10: P7.34 1850,1281.14 1844.14,1287 1756.86,1287 1751,1292.86 1751,2030.14 1756.86,2036 v1(3334,2036)
OLED_SCK: DS1.5 P10.19 | length 4086
  Top Layer w10: v1(2337,2558) 2487,2558 2503,2574 2503,3694.68 2453,3744.68 v1(2453,3790)
  Bottom Layer w10: P10.19 1150,2564.86 1156.86,2558 v1(2337,2558) ; v1(2453,3790) 2459.18,3796.18 3148.82,3796.18 3155,3790 3155,3653.65 DS1.5
STEPPER_DIR: P10.4 U3.7 | length 7754.3
  Top Layer w10: v1(4246,1706) 4246.07,1706.07 4246.07,3840.93 v1(4246.14,3841) ; v1(5218,1706.07) 5218,1823.2 5236.39,1841.59 U3.7
  Bottom Layer w10: P10.4@345.41,3321.25 P10.4 350,3449.14 355.86,3455 666,3455 677.64,3466.64 677.64,3838.09 cw(c684.69,3831) 684.69,3841 v1(4246.14,3841) v1@4252,3835.14 ; v1@4246.07,1706.07 v1(5218,1706.07)
STEPPER_ENABLE: P10.1 U3.19 | length 5901.8
  Top Layer w10: P10.1 247,3197 247,2523 256,2514 v1(1108.07,2514) ; v1(4610,2257) 5101.39,2257 5108.43,2249.95 U3.19
  Bottom Layer w10: v1(1108.07,2514) 1110.07,2516 2002.14,2516 2008,2510.14 2008,2284 2035,2257 v1(4610,2257)
STEPPER_RESET: P10.2 U3.14 | length 11350.2
  Top Layer w10: v1@4300,1633 v1(4304,1637) 4304,2412.61 4310.7,2419.3 5176,2419.3 5176,2314 5236.39,2253.61 U3.14
  Bottom Layer w10: P10.2 250,3449.14 244.14,3455 134,3455 102,3423 102,501.86 107.86,496 1160.14,496 1166,490.14 1166,100 1182.86,83.14 3425.14,83.14 3431,89 3431,1631.14 3436.86,1637 v1(4304,1637)
STEPPER_STEP: P7.30 U3.20 | length 4659.5
  Top Layer w10: v1(4391,2126) 5079.28,2126 5082.84,2129.56 U3.20
  Bottom Layer w10: P7.30 1655,905 1655,2120.14 1660.86,2126 v1(4391,2126)
USB_UART_RX: P10.33 U1.2 | length 5398.8
  Top Layer w10: U1.2 5093,3648.86 5110.86,3631 5354.14,3631 5360,3625.14 v1(5360,3553.48)
  Bottom Layer w10: P10.33 1850,2653.86 1855.86,2648 5354.14,2648 5360,2653.86 v1(5360,3553.48)
USB_UART_TX: P7.17 U1.3 | length 10175
  Top Layer w10: v1(1050,447) P7.17 ; v1(4631,3643) 5034,3643 5043,3652 U1.3
  Bottom Layer w10: v1@1053,447 v1(1050,447) 1046,443 84,443 60,467 60,3546.28 65.86,3552.14 562.14,3552.14 568,3558 568,3892 624.86,3948.86 4625.14,3948.86 4631,3943 v1(4631,3643)
VBUS: C2.1 C4.1 J1.1 U1.16 | length 1505.6
  Top Layer w10: C4.1@5278.34,3116.28 5439.39,3116.28 ; 5439.39,3121.12 5737.96,3121.12 J1.1
  Top Layer w30: U1.16 5143,3485.57 5165.57,3463 5421.81,3463 5439.39,3445.43 5439.39,3353 ; C2.1 5439.39,3353 ; C4.1 C4.1@5278.34,3116.28 ; C4.1@5276.48,3122.28 5439.39,3122.28 5439.39,3353
VMOTOR: C1.2 C3.1 D1.1 U2.10 | length 2500.7
  Top Layer w30: U2.10 3121.57,931 3104,913.43 3104,752 4336.85,752 4354.43,769.57 4354.43,891 ; C1.2@4149,1066.89 4149,908.57 4166.57,891 4354.43,891 ; C3.1 4354.43,1052.96 4354.43,891 ; D1.1 4354.43,891
pads on no net: DS1.3 DS1.NC J1.4 J1.X J1.Y P7.1 P7.2 P7.3 P7.4 P7.5 P7.6 P7.7 P7.9 P7.10 P7.11 P7.13 P7.14 P7.15 P7.20 P7.22 P7.23 P7.24 P7.25 P7.26 P7.27 P7.28 P7.29 P7.31 P7.33 P10.3 P10.5 P10.6 P10.8 P10.10 P10.11 P10.12 P10.14 P10.18 P10.25 P10.27 P10.29 P10.31 P10.34 P10.35 P10.36 P10.37 P10.38 U1.9 U1.10 U1.11 U1.12 U1.13 U1.14 U3.16
copper on no net:
  other v2: 250,250 5750,250 250,3750 5750,3750

## Polygon pours and split planes (outlines as drawn)
GND on Top Layer "GND_L01_P000" (solid, pour order 0): 0,4000 6000,4000 6000,0 0,0
GND on Bottom Layer "GND_L02_P001" (solid, pour order 1): 0,4000 6000,4000 6000,0 0,0

## Silkscreen, mask and mechanical layers (free items; w line width, h text height)
Top Overlay:
  text "Minh Quan Tran" at 1538,3749 h60
  text "8998451" at 1536,3625 h60
Mechanical 1:
  drawing of 321 lines, arcs and shapes, not listed
  text "Layer" at 6568.74,3923.41 h60
  text "Name" at 6978.65,3923.41 h60
  text "Material" at 7908.4,3923.41 h60
  text "Thickness" at 8768.16,3923.41 h60
  text "Constant" at 9418,3923.41 h60
  text "Board Layer Stack" at 9987.86,3923.41 h60
  text "Top Overlay" at 6978.65,3803.41 h60
  text "Top Solder" at 6978.65,3683.41 h60
  text "Solder Resist" at 7908.4,3683.41 h60
  text "0.40mil" at 8768.16,3683.41 h60
  text "3.5" at 9418,3683.41 h60
  text "1" at 6568.74,3563.41 h60
  text "Top Layer" at 6978.65,3563.41 h60
  text "1.40mil" at 8768.16,3563.41 h60
  text "Dielectric 1" at 6978.65,3443.41 h60
  text "FR-4" at 7908.4,3443.41 h60
  text "58.40mil" at 8768.16,3443.41 h60
  text "4.8" at 9418,3443.41 h60
  text "2" at 6568.74,3323.41 h60
  text "Bottom Layer" at 6978.65,3323.41 h60
  text "1.40mil" at 8768.16,3323.41 h60
  text "Bottom Solder" at 6978.65,3203.41 h60
  text "Solder Resist" at 7908.4,3203.41 h60
  text "0.40mil" at 8768.16,3203.41 h60
  text "3.5" at 9418,3203.41 h60
  text "Bottom Overlay" at 6978.65,3083.41 h60
Drill Drawing:
  circle w10: c43.27,5008.33 r33.33
  lines w10: 9.94,4375 76.61,4375 76.61,4441.67 9.94,4441.67 9.94,4375 ; 9.94,4525 43.27,4541.67 76.61,4525 59.94,4558.33 76.61,4591.67 43.27,4575 9.94,4591.67 26.61,4558.33 9.94,4525 ; 9.94,4675 9.94,4691.67 26.61,4708.33 9.94,4725 9.94,4741.67 26.61,4741.67 43.27,4725 59.94,4741.67 76.61,4741.67 76.61,4725 59.94,4708.33 76.61,4691.67 76.61,4675 59.94,4675 43.27,4691.67 26.61,4675 9.94,4675 ; 9.94,4841.67 26.61,4841.67 43.27,4825 59.94,4841.67 76.61,4841.67 59.94,4858.33 76.61,4875 59.94,4875 43.27,4891.67 26.61,4875 9.94,4875 26.61,4858.33 9.94,4841.67 ; 9.94,5191.67 76.61,5191.67 43.27,5125 9.94,5191.67
  lines w15: -49.85,4330 10531.22,4330 ; -49.85,5230 10531.22,5230 ; 501.02,4180 501.02,5380 ; 1090.87,4180 1090.87,5380 ; 2240.53,4180 2240.53,5380 ; 2746.41,4180 2746.41,5380 ; 3480.21,4180 3480.21,5380 ; 4979.76,4180 4979.76,5380 ; 5569.61,4180 5569.61,5380 ; 6315.41,4180 6315.41,5380 ; 6965.24,4180 6965.24,5380 ; 7819,4180 7819,5380 ; 9152.61,4180 9152.61,5380 ; -49.85,4180 10531.22,4180 10531.22,5380 -49.85,5380 -49.85,4180
  text "Symbol" at 40.15,5275 h72
  text "Count" at 546.02,5275 h72
  text "Hole Size" at 1135.87,5275 h72
  text "Plated" at 2285.53,5275 h72
  text "Hole Type" at 2791.41,5275 h72
  text "Drill Layer Pair" at 3525.21,5275 h72
  text "Via/Pad" at 5024.76,5275 h72
  text "Pad Shape" at 5614.61,5275 h72
  text "Template" at 6360.41,5275 h72
  text "Description" at 7010.24,5275 h72
  text "Hole Tolerance (+)" at 7864,5275 h72
  text "Hole Tolerance (-)" at 9197.61,5275 h72
  text "2" at 546.02,5125 h60
  text "35.43mil (0.900mm)" at 1135.87,5125 h60
  text "NPTH" at 2285.53,5125 h60
  text "Round" at 2791.41,5125 h60
  text "Top Layer - Bottom Layer" at 3525.21,5125 h60
  text "Pad" at 5024.76,5125 h60
  text "Rounded" at 5614.61,5125 h60
  text "c90hn90" at 6360.41,5125 h60
  text "4" at 546.02,4975 h60
  text "55.00mil (1.397mm)" at 1135.87,4975 h60
  text "PTH" at 2285.53,4975 h60
  text "Round" at 2791.41,4975 h60
  text "Top Layer - Bottom Layer" at 3525.21,4975 h60
  text "Pad" at 5024.76,4975 h60
  text "(Mixed)" at 5614.61,4975 h60
  text "(Mixed)" at 6360.41,4975 h60
  text "4" at 546.02,4825 h60
  text "115.00mil (2.921mm)" at 1135.87,4825 h60
  text "PTH" at 2285.53,4825 h60
  text "Round" at 2791.41,4825 h60
  text "Top Layer - Bottom Layer" at 3525.21,4825 h60
  text "Pad" at 5024.76,4825 h60
  text "Rounded" at 5614.61,4825 h60
  text "c368h292" at 6360.41,4825 h60
  text "4" at 546.02,4675 h60
  text "136.00mil (3.454mm)" at 1135.87,4675 h60
  text "PTH" at 2285.53,4675 h60
  text "Round" at 2791.41,4675 h60
  text "Top Layer - Bottom Layer" at 3525.21,4675 h60
  text "Via" at 5024.76,4675 h60
  text "Rounded" at 5614.61,4675 h60
  text "v457h345" at 6360.41,4675 h60
  text "43" at 546.02,4525 h60
  text "28.00mil (0.711mm)" at 1135.87,4525 h60
  text "PTH" at 2285.53,4525 h60
  text "Round" at 2791.41,4525 h60
  text "Top Layer - Bottom Layer" at 3525.21,4525 h60
  text "Via" at 5024.76,4525 h60
  text "Rounded" at 5614.61,4525 h60
  text "v127h71" at 6360.41,4525 h60
  text "106" at 546.02,4375 h60
  text "40.00mil (1.016mm)" at 1135.87,4375 h60
  text "PTH" at 2285.53,4375 h60
  text "Round" at 2791.41,4375 h60
  text "Top Layer - Bottom Layer" at 3525.21,4375 h60
  text "Pad" at 5024.76,4375 h60
  text "(Mixed)" at 5614.61,4375 h60
  text "(Mixed)" at 6360.41,4375 h60
  text "163 Total" at 546.02,4225 h60

## Text inside footprints (layer, text, board x,y; h text height)
P7: Top Overlay "2" at 137,881 h50; Top Overlay "1" at 150,780 h50; Top Overlay "37" at 2141,776 h50; Top Overlay "38" at 2145,875 h50
P10: Top Overlay "2" at 137,3281 h50; Top Overlay "1" at 150,3180 h50; Top Overlay "37" at 2141,3176 h50; Top Overlay "38" at 2145,3275 h50